# Altium PCB Omarichet_EPS - Copy.PcbDoc (part 2 of 3)
Units mil, origin at the board's own origin, x right, y up, seen from the top; angles counter-clockwise.
Board outline 6000 x 4000 mil, 2 copper layers (Top Layer, Bottom Layer); 253 components, 165 nets, 888 pads, 190 vias.
Unrouted connection lines stored in the file: 108.
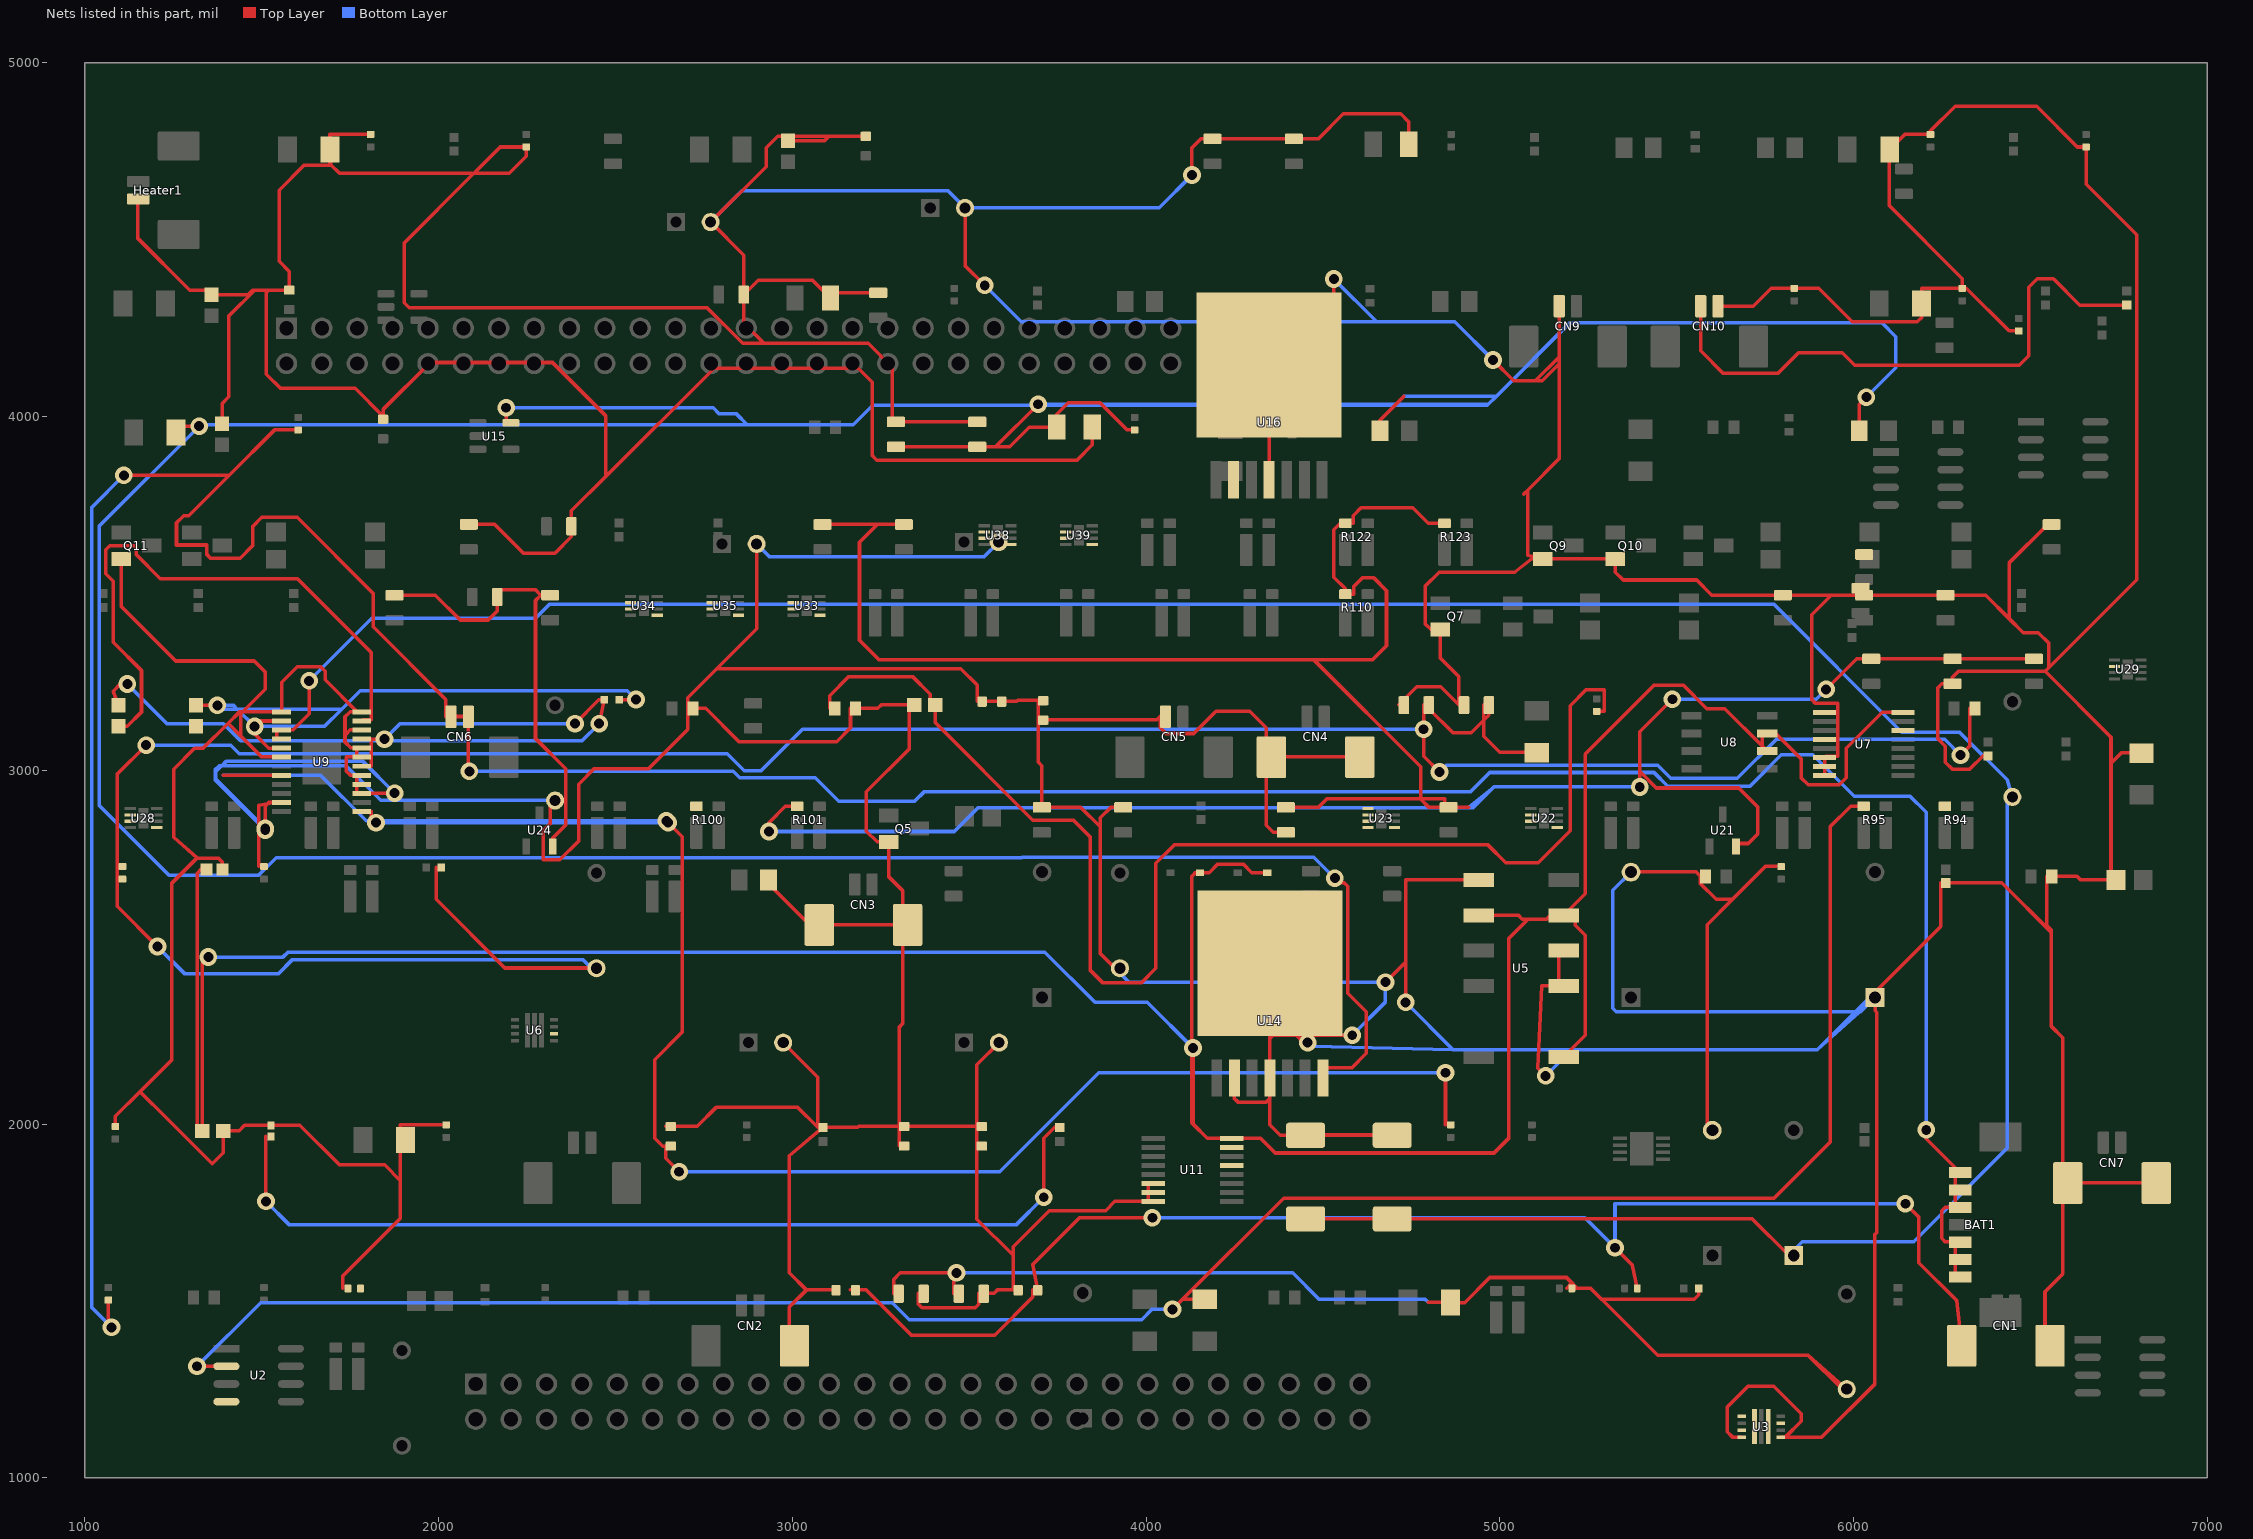
[diagram p2: the nets of this part, all layers, seen from the top]

## Part data (continued)
L1 L2 L3: library part CMP-006-00006-6, "Chip Inductor, 2.2 nH, +/- 0.3 nH, 400 mA, -40 to 85 degC, 0402 (1005 Metric), RoHS, Tape and Reel", Case/Package=0402, Current Rating=400mA, Manufacturer=Panasonic, Max Operating Temperature=85°C, Min Operating Temperature=-20°C, Package Description="2-Pin Surface Mount Device, Body 1 x 0.5 mm", Package Quantity=10000, Tolerance=5%, Core Material=Ceramic, Datasheet URL=http://www.bourns.com/docs/Product-Datasheets/cm322522.pdf, Datasheet Version=Sep-12, Mounting Technology=SM, Package Reference=0402, Packaging=TapeandReel, Q Factor=8, RoHS Compliant=True, Shielding=Unshielded
Q5 Q6 Q7 Q8 Q9 Q10 Q11 Q12: library part CMP-014-00026-2, "NPN General Purpose Amplifier, 40 V, 0.2 A, -55 to 150 degC, 3-Pin SOT23, RoHS, Tape and Reel", Case/Package=TO-236-3, Frequency=300MHz, Manufacturer="Fairchild Semiconductor", Max Operating Temperature=150°C, Min Operating Temperature=-55°C, Package Description="3-Pin Small Outline Transistor, Body 2.92 x 1.325 mm, Pitch 0.95 mm", Package Quantity=3000, Package Reference=SOT23-3, Package Version="Rev. 12, 03/2016", Power=625mW, Datasheet URL=https://www.fairchildsemi.com/datasheets/MM/MMBT3904.pdf, Datasheet Version="Rev. 1.1.0, 10/2014", Elements=1, hFE Min=100, Manufacturer URL=https://www.fairchildsemi.com/, Mounting Technology=SM, Package URL=http://www.fairchildsemi.com/dwg/MA/MA03D.pdf, Packaging=TapeandReel, Pins=3, RoHS Compliant=True, Vce Max=300mV
R1 R5 R32 R33 R94 R95 R96 R97 R100 R101 R102 R103 R104 R105 R110 R111 R112 R113 R114 R115 R122 R123 R124 R125: library part CMP-009-00119-3, "Chip Resistor, 0,007 Ohms, +/-1%, 63 mW, -55 to 155 degC, 1206", Case/Package=1206, Max Operating Temperature=155°C, Min Operating Temperature=-55°C, Tolerance=1%, Pins=4
R2: library part CMP-009-00127-3, "Chip Resistor, 232 kOhms, +/-1 %, 63 mW, -55 to 155 degC, 0402", Case/Package=0402, Power=63mW, Tolerance=1%, Pins=2
R3: library part CMP-009-00151-3, "Chip Resistor, 1 MOhms, +/-5 %, 63 mW, -55 to 155 degC, 0402", Case/Package=0402, Max Operating Temperature=155°C, Min Operating Temperature=-55°C, Power=63mW, Tolerance=5%, Pins=2
R4 R54: library part CMP-009-00025-5, "Chip Resistor, 100 KOhm, +/- 1%, 0.25 W, -55 to 155 degC, 1206 (3216 Metric)", Case/Package=1206, Max Operating Temperature=155°C, Min Operating Temperature=-55°C, Power=250mW, Tolerance=1%, Voltage Rating=200V, Mounting Technology=SM, Pins=2, RoHS Compliant=True
R6 R7 R20 R35 R43 R55 R58: library part CMP-009-00023-5, "Chip Resistor, 100 KOhm, +/- 1%, 0.1 W, -55 to 155 degC, 0603 (1608 Metric)", Case/Package=0603, Max Operating Temperature=155°C, Min Operating Temperature=-55°C, Power=100mW, Tolerance=1%, Voltage Rating=50V, Mounting Technology=SM, Pins=2, RoHS Compliant=True
R8: library part CMP-009-00046-4, "Axial Resistor, 100 Ohm, +/- 1%, 0.25 W, -55 to 155 degC, 2-Pin THD, RoHS, Bulk", Case/Package=Axial, Manufacturer=Yageo, Max Operating Temperature=155°C, Min Operating Temperature=-55°C, Package Description="2-Pin Axial Lead, Dia 2.4 mm, Body Length 6.3 mm", Package Quantity=200, Package Reference=MFR-25, Power=250mW, Tolerance=1%, Voltage Rating=250V, Composition=CarbonFilm, Datasheet URL=http://www.yageo.com/documents/recent/Yageo%20LR_MFR_2013.pdf, Datasheet Version=Apr-13, Manufacturer URL=http://www.yageo.com/, Mounting Technology=TH, Packaging=Bulk, RoHS Compliant=True
R9 R10 R57 R61: library part CMP-009-00011-5, "Chip Resistor, 1 KOhm, +/- 1%, 0.25 W, -55 to 155 degC, 1206 (3216 Metric)", Case/Package=1206, Max Operating Temperature=155°C, Min Operating Temperature=-55°C, Power=250mW, Tolerance=1%, Voltage Rating=200V, Mounting Technology=SM, Pins=2, RoHS Compliant=True
R11 R37: library part CMP-009-00138-3, "Chip Resistor, 2 kOhms, +/-5 %, 63 mW, -55 to 155 degC, 0402", Case/Package=0402, Max Operating Temperature=155°C, Min Operating Temperature=-55°C, Power=63mW, Tolerance=5%, Pins=2
R12 R15 R63: library part CMP-009-00006-5, "Chip Resistor, 0 Ohm, 0.1 W, -55 to 155 degC, 0603 (1608 Metric)", Case/Package=0603, Max Operating Temperature=155°C, Min Operating Temperature=-55°C, Power=100mW, Tolerance=5%, Voltage Rating=50V, Mounting Technology=SM, Pins=2, RoHS Compliant=True
R13 R21: library part CMP-009-00010-5, "Chip Resistor, 1 KOhm, +/- 1%, 0.125 W, -55 to 155 degC, 0805 (2013 Metric)", Case/Package=0805, Max Operating Temperature=155°C, Min Operating Temperature=-55°C, Power=125mW, Tolerance=1%, Voltage Rating=150V, Mounting Technology=SM, Pins=2, RoHS Compliant=True
R14: library part CMP-009-00123-3, "Chip Resistor, 22 kOhms, +/-1 %, 63 mW, -55 to 155 degC, 0402", Case/Package=0402, Max Operating Temperature=155°C, Min Operating Temperature=-55°C, Power=63mW, Tolerance=1%, Pins=2
R16 R64: library part CMP-009-00168-3, "Chip Resistor, 100 kOhms, +/-1 %, 63 mW, -55 to 155 degC, 0402", Case/Package=0402, Max Operating Temperature=155°C, Min Operating Temperature=-55°C, Power=63mW, Tolerance=1%, Pins=2
R17: library part CMP-009-00033-5, "Chip Resistor, 4.7 KOhm, +/- 1%, 0.25 W, -55 to 155 degC, 1206 (3216 Metric)", Case/Package=1206, Max Operating Temperature=155°C, Min Operating Temperature=-55°C, Power=250mW, Tolerance=1%, Voltage Rating=200V, Mounting Technology=SM, Pins=2, RoHS Compliant=True
R18 R66: library part CMP-009-00012-5, "Chip Resistor, 1 KOhm, +/- 1%, 63 mW, -55 to 155 degC, 0402 (1005 Metric)", Case/Package=0402, Max Operating Temperature=155°C, Min Operating Temperature=-55°C, Power=63mW, Tolerance=1%, Mounting Technology=SM, Pins=2, RoHS Compliant=True
R19 R70 R81 R91 R98 R106 R107 R116 R117 R118 R126 R127: library part CMP-009-00009-5, "Chip Resistor, 1 KOhm, +/- 1%, 0.1 W, -55 to 155 degC, 0402 (1005 Metric)", Case/Package=0402, Max Operating Temperature=155°C, Min Operating Temperature=-55°C, Power=100mW, Tolerance=1%, Voltage Rating=50V, Mounting Technology=SM, Pins=2, RoHS Compliant=True
R22: library part CMP-009-00020-5, "Chip Resistor, 10 Ohm, +/- 5%, 0.063 W, -55 to 155 degC, 0402 (1005 Metric)", Case/Package=0402, Max Operating Temperature=155°C, Min Operating Temperature=-55°C, Power=63mW, Tolerance=5%, Mounting Technology=SM, Pins=2, RoHS Compliant=True
R23 R26: library part CMP-009-00047-4, "Axial Resistor, 10 KOhm, +/- 1%, 0.25 W, -55 to 155 degC, 2-Pin THD, RoHS, Bulk", Case/Package=Axial, Manufacturer=Yageo, Max Operating Temperature=155°C, Min Operating Temperature=-55°C, Package Description="2-Pin Axial Lead, Dia 2.4 mm, Body Length 6.3 mm", Package Quantity=200, Package Reference=MFR-25, Power=250mW, Tolerance=1%, Voltage Rating=250V, Datasheet URL=http://www.yageo.com/documents/recent/Yageo%20LR_MFR_2013.pdf, Datasheet Version=Apr-13, Manufacturer URL=http://www.yageo.com/, Mounting Technology=TH, Packaging=Bulk, RoHS Compliant=True
R24 R71: library part CMP-009-00171-3, "Chip Resistor, 25,5 kOhms, +/-1 %, 63 mW, -55 to 155 degC, 0402", Case/Package=0402, Max Operating Temperature=155°C, Min Operating Temperature=-55°C, Power=63mW, Tolerance=1%, Pins=2
R25 R42: library part CMP-009-00017-5, "Chip Resistor, 10 KOhm, +/- 1%, 01 W, -55 to 155 degC, 0603 (1608 Metric)", Case/Package=0603, Max Operating Temperature=155°C, Min Operating Temperature=-55°C, Power=100mW, Tolerance=1%, Voltage Rating=50V, Mounting Technology=SM, Pins=2, RoHS Compliant=True
R27 R28 R30 R44 R68 R79 R89: library part CMP-009-00118-3, "Chip Resistor, 1 kOhms, +/-5%, 125 mW, -55 to 155 degC, 0805", Case/Package=0805, Max Operating Temperature=155°C, Min Operating Temperature=-55°C, Power=125mW, Tolerance=5%, Pins=2
R29: library part CMP-009-00052-4, "Axial Resistor, 22.1 KOhm, +/- 1%, 0.25 W, -55 to 155 degC, 2-Pin THD, RoHS, Bulk", Case/Package=Axial, Manufacturer=Yageo, Max Operating Temperature=155°C, Min Operating Temperature=-55°C, Package Description="2-Pin Axial Lead, Dia 2.4 mm, Body Length 6.3 mm", Package Quantity=200, Package Reference=MFR-25, Power=250mW, Tolerance=1%, Voltage Rating=250V, Datasheet URL=http://www.yageo.com/documents/recent/Yageo%20LR_MFR_2013.pdf, Datasheet Version=Apr-13, Manufacturer URL=http://www.yageo.com/, Mounting Technology=TH, Packaging=Bulk, RoHS Compliant=True
R31: library part CMP-009-00018-5, "Chip Resistor, 10 KOhm, +/- 1%, 125 mW, -55 to 155 degC, 0805 (2012 Metric)", Case/Package=0805, Max Operating Temperature=155°C, Min Operating Temperature=-55°C, Power=125mW, Tolerance=1%, Voltage Rating=150V, Mounting Technology=SM, Pins=2, RoHS Compliant=True
R34: library part CMP-009-00163-3, "Chip Resistor, 200 kOhms, +/-1 %, 63 mW, -55 to 155 degC, 0402", Case/Package=0402, Max Operating Temperature=155°C, Min Operating Temperature=-55°C, Power=63mW, Tolerance=1%, Pins=2
R36: library part CMP-009-00165-3, "Chip Resistor, 1 MOhms, +/-1 %, 63 mW, -55 to 155 degC, 0402", Case/Package=0402, Power=63mW, Tolerance=1%, Pins=2
R41: library part CMP-009-00008-5, "Chip Resistor, 0 Ohm, 0.25 W, -55 to 155 degC, 1206 (3216 Metric)", Case/Package=1206, Max Operating Temperature=155°C, Min Operating Temperature=-55°C, Power=250mW, Tolerance=0.05%, Voltage Rating=200V, Mounting Technology=SM, Pins=2, RoHS Compliant=True
R45: library part CMP-009-00026-5, "Chip Resistor, 15 KOhm, +/- 1%, 0.063 W, -55 to 155 degC, 0402 (1005 Metric)", Case/Package=0402, Max Operating Temperature=155°C, Min Operating Temperature=-55°C, Power=63mW, Tolerance=1%, Mounting Technology=SM, Pins=2, RoHS Compliant=True
R46: library part CMP-009-00055-4, "Axial Resistor, 475 KOhm, +/- 1%, 0.25 W, -55 to 155 degC, 2-Pin THD, RoHS, Bulk", Case/Package=Axial, Manufacturer=Yageo, Max Operating Temperature=155°C, Min Operating Temperature=-55°C, Package Description="2-Pin Axial Lead, Dia 2.4 mm, Body Length 6.3 mm", Package Quantity=200, Package Reference=MFR-25, Power=250mW, Tolerance=1%, Voltage Rating=250V, Datasheet URL=http://www.yageo.com/documents/recent/Yageo%20LR_MFR_2013.pdf, Datasheet Version=Apr-13, Manufacturer URL=http://www.yageo.com/, Mounting Technology=TH, Packaging=Bulk, RoHS Compliant=True
R47: library part CMP-009-00049-4, "Axial Resistor, 1 MOhm, +/- 1%, 250 mW, -55 to 155 degC, 2-Pin THD, RoHS, Bulk", Case/Package=Axial, Manufacturer=Yageo, Max Operating Temperature=155°C, Min Operating Temperature=-55°C, Package Description="2-Pin Axial Lead, Dia 2.4 mm, Body Length 6.3 mm", Package Quantity=200, Package Reference=MFR-25, Power=250mW, Tolerance=1%, Voltage Rating=250V, Datasheet URL=http://www.yageo.com/documents/recent/Yageo%20LR_MFR_2013.pdf, Datasheet Version=Apr-13, Manufacturer URL=http://www.yageo.com/, Mounting Technology=TH, Packaging=Bulk, RoHS Compliant=True
R48: library part CMP-009-00113-3, "953K 0.063W 1% 0402 (1005 Metric)  SMD", Case/Package=0402, Power=63mW, Tolerance=1%, Mounting Technology=SMT, Pins=2
R49: library part CMP-009-00126-3, "Chip Resistor, 383 kOhms, +/-1 %, 63 mW, -55 to 155 degC, 0402", Case/Package=0402, Max Operating Temperature=155°C, Min Operating Temperature=-55°C, Power=63mW, Tolerance=1%, Pins=2
R50 R52: library part CMP-009-00021-5, "Chip Resistor, 100 KOhm, +/- 1%, 0.063 W, -55 to 155 degC, 0402 (1005 Metric)", Case/Package=0402, Max Operating Temperature=155°C, Min Operating Temperature=-55°C, Power=63mW, Tolerance=1%, Voltage Rating=50V, Mounting Technology=SM, Pins=2, RoHS Compliant=True
R51: library part CMP-009-00073-2, "1K6 0.063W 5% 0402 (1005 Metric)  SMD", Case/Package=0402, Power=63mW, Tolerance=5%, Mounting Technology=SMT, Pins=2
R53: library part CMP-009-00064-2, "100K 0.063W 1% 0402 (1005 Metric)  SMD", Case/Package=0402, Power=63mW, Tolerance=1%, Mounting Technology=SMT, Pins=2
R56 R60 R74 R75 R84 R85: library part CMP-009-00001-5, "Chip Resistor, 0 Ohm, +/- 1%, 125 mW, -55 to 155 degC, 0805 (2012 Metric)", Case/Package=0805, Max Operating Temperature=155°C, Min Operating Temperature=-55°C, Power=125mW, Tolerance=1%, Voltage Rating=150V, Mounting Technology=SM, Pins=2, RoHS Compliant=True
R59 R76 R86: library part CMP-009-00034-5, "Chip Resistor, 4.7 KOhm, +/- 1%, 63 mW, -55 to 155 degC, 0402 (1005 Metric)", Case/Package=0402, Max Operating Temperature=155°C, Min Operating Temperature=-55°C, Power=63mW, Tolerance=1%, Voltage Rating=50V, Mounting Technology=SM, Pins=2, RoHS Compliant=True
R62 R77 R87: library part CMP-009-00167-3, "Chip Resistor, 100 Ohms, +/-1 %, 63 mW, -55 to 155 degC, 0402", Case/Package=0402, Max Operating Temperature=155°C, Min Operating Temperature=-55°C, Power=63mW, Tolerance=1%, Pins=2
R65 R72 R78 R83 R88 R93: library part CMP-009-00016-5, "Chip Resistor, 10 KOhm, +/- 1%, 0.25 W, -55 to 155 degC, 1206 (3216 Metric)", Case/Package=1206, Max Operating Temperature=155°C, Min Operating Temperature=-55°C, Power=250mW, Tolerance=1%, Voltage Rating=200V, Mounting Technology=SM, Pins=2, RoHS Compliant=True
R67 R80 R90: library part CMP-009-00157-3, "Chip Resistor, 1 kOhms, +/-5 %, 63 mW, -55 to 155 degC, 0402", Case/Package=0402, Max Operating Temperature=155°C, Min Operating Temperature=-55°C, Power=63mW, Tolerance=5%, Pins=2
R69: library part CMP-009-00022-5, "Chip Resistor, 100 KOhm, +/- 1%, 0.1 W, -55 to 155 degC, 0402 (1005 Metric)", Case/Package=0402, Max Operating Temperature=155°C, Min Operating Temperature=-55°C, Power=100mW, Tolerance=1%, Voltage Rating=50V, Mounting Technology=SM, Pins=2, RoHS Compliant=True
R73 R82 R92: library part CMP-009-00158-3, "Chip Resistor, 4,7 kOhms, +/-1 %, 63 mW, -55 to 155 degC, 0402", Case/Package=0402, Max Operating Temperature=155°C, Min Operating Temperature=-55°C, Power=63mW, Tolerance=1%, Pins=2
R99 R108 R109 R119 R120 R121 R128 R129: library part CMP-009-00032-5, "Chip Resistor, 4.7 KOhm, +/- 1%, 0.125 W, -55 to 155 degC, 0805 (2012 Metric)", Case/Package=0805, Max Operating Temperature=155°C, Min Operating Temperature=-55°C, Power=125mW, Tolerance=1%, Voltage Rating=150V, Mounting Technology=SM, Pins=2, RoHS Compliant=True
U1 U2 U12 U13: "MOSFET 2P-CH 12V 9.2A 8-SOIC", Case/Package=SOIC, Continuous Drain Current (ID)=9.2A, Current Rating=-9.2A, Drain to Source Breakdown Voltage=-12V, Drain to Source Resistance=17mR, Drain to Source Voltage (Vdss)=12V, Gate to Source Voltage (Vgs)=8V, Input Capacitance=3.45nF, Manufacturer="International Rectifier", Max Operating Temperature=150°C, Max Power Dissipation=2W, Min Operating Temperature=-55°C, Package Quantity=1, Supplier Part Number 1=IRF7329PBFCT-ND, ComponentLink1Description=https://www.infineon.com/dgdl/irf7329pbf.pdf?fileId=5546d462533600a4015355f617841b55&src-supplier=Digi-Key, ComponentLink1URL=https://www.infineon.com/dgdl/irf7329pbf.pdf?fileId=5546d462533600a4015355f617841b55&src-supplier=Digi-Key, ComponentLink2Description=https://www.verical.com/server-webapp/html/getDatasheet?partID=357970&src-supplier=Verical, ComponentLink2URL=https://www.verical.com/server-webapp/html/getDatasheet?partID=357970&src-supplier=Verical, ComponentLink3Description=http://datasheet.iiic.cc/international_rectifier/IRF7329TRPBF.pdf?src-supplier=IIIC, ComponentLink3URL=http://datasheet.iiic.cc/international_rectifier/IRF7329TRPBF.pdf?src-supplier=IIIC, Element Configuration=Dual, Fall Time=260ns, Height=1.5mm, Lead Free="Lead Free", Length=5mm, Manufacturer Part Number=IRF7329TRPBF, Mount="Surface Mount", Number of Elements=2, Number of Pins=8, Packaging="Tape and Reel", Power Dissipation=2W, Pricing 1="1=1.23, 10=1.007, 25=0.988, 100=0.7831, 500=0.6638, 1000=0.5407 (USD)", Radiation Hardening=No, Rds On Max=17mR, Rise Time=8.6ns, RoHS Compliant=Yes, Series=HEXFET®, Stock 1=21693, Supplier 1=Digi-Key, Turn-Off Delay Time=340ns, Turn-On Delay Time=10ns, Voltage Rating (DC)=-12V, Width=4mm
U3: "IC REG BUCK ADJUSTABLE 4A 11VQFN", Case/Package=VQFN, Manufacturer="Texas Instruments", Max Input Voltage=17V, Max Operating Temperature=125°C, Max Output Voltage=12V, Min Input Voltage=3V, Min Operating Temperature=-40°C, Min Output Voltage=800mV, Output Current=4A, Supplier Part Number 1=296-50117-1-ND, Switching Frequency=1MHz, ComponentLink1Description=http://www.ti.com/lit/ds/symlink/tps62136.pdf?src-supplier=Digi-Key, ComponentLink1URL=http://www.ti.com/lit/ds/symlink/tps62136.pdf?src-supplier=Digi-Key, Manufacturer Part Number=TPS621361RGXR, Mount="Surface Mount", Number of Outputs=1, Number of Pins=11, Output Configuration=Positive, Output Type=Adjustable, Packaging="Cut Tape", Pricing 1="1=2.28, 10=2.051, 25=1.9344, 100=1.5476, 250=1.3542, 500=1.3155, 1000=1.0446 (USD)", RoHS Compliant=Yes, Stock 1=4700, Supplier 1=Digi-Key, Synchronous Rectifier=Yes
U5: "RELAY TELECOM DPDT 2A 5V", Coil Power="200 mW", Coil Voltage=5VDC, Manufacturer="Omron Electronics Inc-EMC Div", Operating Temperature="-40°C ~ 85°C", Supplier Part Number 1=G6SK-2G-DC5-ND, Switching Voltage="250VAC, 220VDC - Max", Turn Off Voltage (Min)=-, Turn On Voltage (Max)="3.75 VDC", Category=Relays, Coil Type="Latching, Dual Coil", ComponentLink1Description=http://omronfs.omron.com/en_US/ecb/products/pdf/en-g6s.pdf, ComponentLink1URL=http://omronfs.omron.com/en_US/ecb/products/pdf/en-g6s.pdf, Contact Form="DPDT (2 Form C)", Contact Material="Silver (Ag), Gold (Au)", Features=-, Manufacturer Part Number="G6SK-2G DC5", Mounting Type="Surface Mount", Packaging=Tube, Part Status=Active, Pricing 1="1000=2.65888 (USD)", Relay Type=Telecom, RoHS="RoHS Compliant", Stock 1=0, Supplier 1=Digi-Key, Termination Style="J Lead"
U6: "No Description Available", Mfr_Name="Texas Instruments", Copyright="Copyright (C) 2022 Ultra Librarian. All rights reserved.", Manufacturer_Part_Number=TPS621361RGXR, RefDes=RefDes, Type=DEV
U7 U11: "IC MUX/DEMUX 8X1 16TSSOP", Base Part Number=74HC4051, Channel Capacitance (CS(off), CD(off))=25pF, Current - Leakage (IS(off)) (Max)=400nA, Manufacturer="Texas Instruments", On-State Resistance (Max)="130 Ohm", Operating Temperature="-40°C ~ 125°C (TA)", Package / Case="16-TSSOP (0.173\", 4.40mm Width)", Supplier Device Package=16-TSSOP, Supplier Part Number 1=296-31590-6-ND, Voltage - Supply, Dual (V±)="±1 V ~ 5 V", Voltage - Supply, Single (V+)="2 V ~ 6 V", -3db Bandwidth=180MHz, Category="Integrated Circuits (ICs)", Channel-to-Channel Matching (&Delta;Ron)="5 Ohm", Charge Injection=-, ComponentLink1Description=http://www.ti.com/lit/ds/symlink/cd74hc4051-q1.pdf, ComponentLink1URL=http://www.ti.com/lit/ds/symlink/cd74hc4051-q1.pdf, Crosstalk=-, Manufacturer Part Number=CD74HC4051QPWRQ1, Multiplexer/Demultiplexer Circuit=8:1, Packaging=Digi-Reel®, Part Status=Active, Pricing 1="1=0.58, 10=0.51, 100=0.3909, 500=0.309, 1000=0.2472 (USD)", RoHS="RoHS Compliant", Stock 1=59, Supplier 1=Digi-Key, Switch Circuit=-, Switch Time (Ton, Toff) (Max)=-
U8: library part INA286AQDRQ1, "IC CURRENT SHUNT MONITOR 8SOIC", Case/Package=SOIC, Input Bias Current=25uA, Input Offset Voltage (Vos)=20uV, Manufacturer="Texas Instruments", Max Operating Temperature=125°C, Max Supply Voltage=18V, Min Operating Temperature=-40°C, Min Supply Voltage=2.7V, Supplier Part Number 1=296-42504-1-ND, Accuracy=0.4%, Bandwidth=10kHz, Common Mode Rejection Ratio=140dB, ComponentLink1Description=http://www.ti.com/general/docs/lit/getliterature.tsp?genericPartNumber=INA286-Q1&&fileType=pdf&src-supplier=Farnell, ComponentLink1URL=http://www.ti.com/general/docs/lit/getliterature.tsp?genericPartNumber=INA286-Q1&&fileType=pdf&src-supplier=Farnell, ComponentLink2Description=http://www.ti.com/lit/ds/symlink/ina283-q1.pdf?src-supplier=Digi-Key, ComponentLink2URL=http://www.ti.com/lit/ds/symlink/ina283-q1.pdf?src-supplier=Digi-Key, ComponentLink3Description=http://www.ti.com/general/docs/lit/getliterature.tsp?genericPartNumber=INA284-Q1&&fileType=pdf&src-supplier=Avnet, ComponentLink3URL=http://www.ti.com/general/docs/lit/getliterature.tsp?genericPartNumber=INA284-Q1&&fileType=pdf&src-supplier=Avnet, ComponentLink4Description=http://www.ti.com/general/docs/lit/getliterature.tsp?genericPartNumber=INA286-Q1&&fileType=pdf&src-supplier=Element14, ComponentLink4URL=http://www.ti.com/general/docs/lit/getliterature.tsp?genericPartNumber=INA286-Q1&&fileType=pdf&src-supplier=Element14, Lead Free="Lead Free", Manufacturer Part Number=INA286AQDRQ1, Mount="Surface Mount", Number of Amplifiers=1, Number of Pins=8, Packaging="Cut Tape", Pricing 1="1=3.91, 10=3.511, 25=3.3188, 100=2.7288, 250=2.4485, 500=2.36, 1000=1.9618 (USD)", REACH SVHC="No SVHC", Stock 1=1000, Supplier 1=Digi-Key